# Altium PCB sim800.PcbDoc (continued)
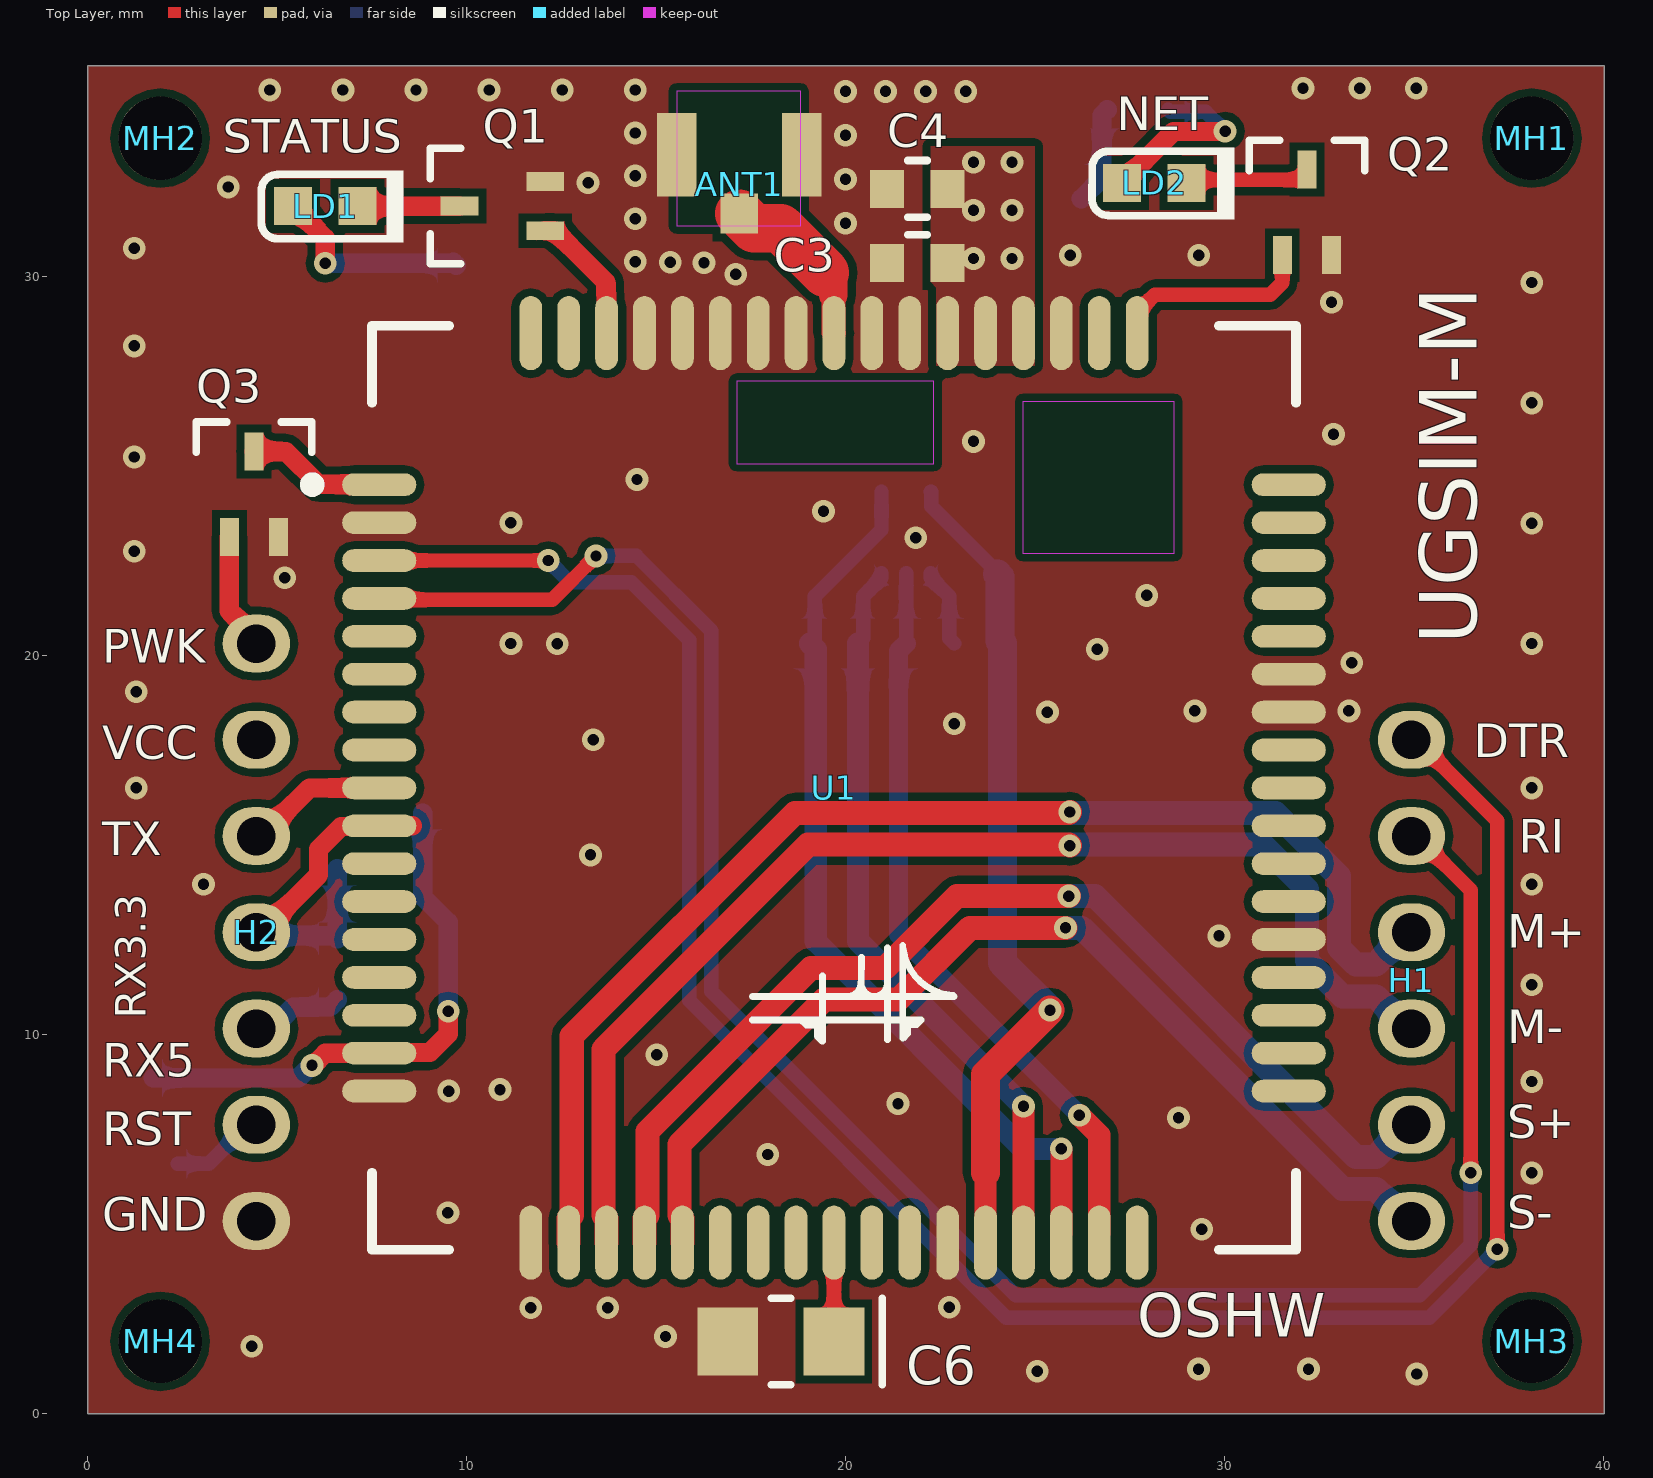
[diagram p0: Top Layer view]
## Part data (continued)
D1: "DIODE ZENER 5.1V 500MW SOD123", Breakdown Voltage=5.36V, Case/Package=SOD-123-2, Forward Voltage=900mV, Manufacturer="ON Semiconductor", Max Operating Temperature=150°C, Max Power Dissipation=500mW, Max Reverse Leakage Current=5uA, Min Operating Temperature=-55°C, Package Quantity=1, Supplier Part Number 1=863-MMSZ5231BT1G, Test Current=20mA, Tolerance=5%, Voltage Rating (DC)=5.1V, Zener Current=10mA, ComponentLink1Description=https://datasheet.ciiva.com/23815/1708301-23815376.pdf?src-supplier=Newark, ComponentLink1URL=https://datasheet.ciiva.com/23815/1708301-23815376.pdf?src-supplier=Newark, ComponentLink2Description=https://datasheet.ciiva.com/894/mmsz5221bt1-d-894881.pdf?src-supplier=Digi-Key, ComponentLink2URL=https://datasheet.ciiva.com/894/mmsz5221bt1-d-894881.pdf?src-supplier=Digi-Key, ComponentLink3Description=https://datasheet.ciiva.com/894/mmsz5221bt1-d-894882.pdf?src-supplier=Digi-Key, ComponentLink3URL=https://datasheet.ciiva.com/894/mmsz5221bt1-d-894882.pdf?src-supplier=Digi-Key, ComponentLink4Description=https://datasheet.ciiva.com/894/mmsz5221bt1-d-894883.pdf?src-supplier=Digi-Key, ComponentLink4URL=https://datasheet.ciiva.com/894/mmsz5221bt1-d-894883.pdf?src-supplier=Digi-Key, ComponentLink5Description=https://datasheet.ciiva.com/16200/mmsz5221bt1-d-16200104.pdf?src-supplier=Future+Electronics, ComponentLink5URL=https://datasheet.ciiva.com/16200/mmsz5221bt1-d-16200104.pdf?src-supplier=Future+Electronics, ComponentLink6Description=https://datasheet.ciiva.com/4731/mmsz5221bt1-d-4731452.pdf?src-supplier=Mouser, ComponentLink6URL=https://datasheet.ciiva.com/4731/mmsz5221bt1-d-4731452.pdf?src-supplier=Mouser, ComponentLink7Description=https://datasheet.ciiva.com/22626/1708301-22626967.pdf?src-supplier=Element14, ComponentLink7URL=https://datasheet.ciiva.com/22626/1708301-22626967.pdf?src-supplier=Element14, ComponentLink8Description=https://datasheet.ciiva.com/25928/mmsz5221bt1-d-25928103.pdf?src-supplier=Avnet+Europe, ComponentLink8URL=https://datasheet.ciiva.com/25928/mmsz5221bt1-d-25928103.pdf?src-supplier=Avnet+Europe, Element Configuration=Single, Height=0.053inch, Impedance=17R, Lead Free="Lead Free", Length=0.111inch, Manufacturer Part Number=MMSZ5231BT1G, Material=Plastic, Number of Pins=2, Packaging="Tape and Reel", Peak Reverse Current=5uA, Power Dissipation=500mW, Power Rating=500mW, Pricing 1="1 = 0.20000, 10 = 0.18900, 50 = 0.18900, 100 = 0.06600, 1000 = 0.04400, 3000 = 0.03300, 9000 = 0.02900, 10000 = 0.02900, 24000 = 0.02600, 45000 = 0.02300, 99000 = 0.02100 (USD)", Radiation Hardening=No, REACH SVHC="No SVHC", RoHS=Yes, Stock 1=48448, Supplier 1=Mouser, Voltage Tolerance=5%, Width=0.071inch, Working Voltage=5.1V, Zener Voltage=5.1V
D2: "TVS DIODE 12V 23V SC88", Breakdown Voltage=13.3V, Case/Package=SC, Clamping Voltage=23V, Leakage Current=100nA, Manufacturer="ON Semiconductor", Max Breakdown Voltage=7.2V, Max Operating Temperature=125°C, Max Reverse Leakage Current=5uA, Max Surge Current=6A, Min Operating Temperature=-40°C, Operating Supply Voltage=12V, Package Quantity=1, Peak Pulse Power=100W, Power Line Protection=No, Supplier Part Number 1=863-SMF12CT1G, Test Current=1mA, ComponentLink1Description=https://datasheet.ciiva.com/4513/smf05c-d-100912-4513248.pdf?src-supplier=Mouser, ComponentLink1URL=https://datasheet.ciiva.com/4513/smf05c-d-100912-4513248.pdf?src-supplier=Mouser, ComponentLink2Description=https://datasheet.ciiva.com/25957/smf05c-d-25957369.pdf?src-supplier=Avnet+Europe, ComponentLink2URL=https://datasheet.ciiva.com/25957/smf05c-d-25957369.pdf?src-supplier=Avnet+Europe, ComponentLink3Description=https://datasheet.ciiva.com/11193/smf05c-d-11193402.pdf?src-supplier=Avnet, ComponentLink3URL=https://datasheet.ciiva.com/11193/smf05c-d-11193402.pdf?src-supplier=Avnet, ComponentLink4Description=https://datasheet.ciiva.com/353/smf05c-d-353902.pdf?src-supplier=Digi-Key, ComponentLink4URL=https://datasheet.ciiva.com/353/smf05c-d-353902.pdf?src-supplier=Digi-Key, ComponentLink5Description=https://datasheet.ciiva.com/353/smf05c-d-353903.pdf?src-supplier=Digi-Key, ComponentLink5URL=https://datasheet.ciiva.com/353/smf05c-d-353903.pdf?src-supplier=Digi-Key, Composition=Zener, Contact Plating=Tin,Matte, Depth=1.25mm, Direction=Unidirectional, Element Configuration="Common Anode", ESD Protection=Yes, Height=1mm, Lead Free="Lead Free", Length=2mm, Manufacturer Part Number=SMF12CT1G, Min Breakdown Voltage=13.3V, Number of Channels=5, Number of Pins=6, Number of Unidirectional Channels=5, Packaging="Tape and Reel", Peak Pulse Current=6A, Polarity=Unidirectional, Power Dissipation=100W, Pricing 1="1 = 0.46000, 10 = 0.32200, 50 = 0.32200, 100 = 0.14800, 1000 = 0.11400, 3000 = 0.09700, 9000 = 0.08900, 10000 = 0.08900, 24000 = 0.08300, 45000 = 0.07400, 99000 = 0.07100 (USD)", Radiation Hardening=No, Reverse Standoff Voltage=12V, RoHS=Yes, Stock 1=7670, Supplier 1=Mouser, Termination=SMD/SMT, Voltage Rating (DC)=12V, Width=1.35mm, Working Voltage=12V
J1: library part "Micro Sim Connector", ComponentLink1Description="on aliexpress", ComponentLink1URL=https://www.aliexpress.com/item/32960690078.html?spm=a2g0o.productlist.0.0.735f2bb6q422g4&algo_pvid=1909d03e-9bfc-4d5c-b848-f6211606a0a0&algo_expid=1909d03e-9bfc-4d5c-b848-f6211606a0a0-4&btsid=6ccb498c-0190-470a-a4c7-741ec023e9fd&ws_ab_test=searchweb0_0,searchweb201602_,searchweb201603_53
LD1: library part "LED Green", "LED GREEN DIFFUSED 0603 SMD", Case/Package=0603, Case Code (Metric)=1608, Forward Current=20mA, Forward Voltage=2.2V, Lens Color=White, Manufacturer=Rohm, Manufacturer Part Number=SML-D12M8WT86, Max Operating Temperature=85°C, Min Operating Temperature=-40°C, Package Quantity=1, Supplier Part Number 1=511-1578-1-ND, Case Code (Imperial)=0603, Color=Green, ComponentLink1Description=https://datasheet.ciiva.com/11774/0900766b80df3ada-11774260.pdf?src-supplier=RSComponents, ComponentLink1URL=https://datasheet.ciiva.com/11774/0900766b80df3ada-11774260.pdf?src-supplier=RSComponents, ComponentLink2Description=https://datasheet.ciiva.com/3161/sml-d1-3161419.pdf?src-supplier=Avnet, ComponentLink2URL=https://datasheet.ciiva.com/3161/sml-d1-3161419.pdf?src-supplier=Avnet, ComponentLink3Description=https://datasheet.ciiva.com/2110/sml-d1-2110396.pdf?src-supplier=Digi-Key, ComponentLink3URL=https://datasheet.ciiva.com/2110/sml-d1-2110396.pdf?src-supplier=Digi-Key, ComponentLink4Description=https://datasheet.ciiva.com/2110/sml-d1-2110397.pdf?src-supplier=Digi-Key, ComponentLink4URL=https://datasheet.ciiva.com/2110/sml-d1-2110397.pdf?src-supplier=Digi-Key, ComponentLink5Description=https://datasheet.ciiva.com/2110/sml-d1-2110398.pdf?src-supplier=Digi-Key, ComponentLink5URL=https://datasheet.ciiva.com/2110/sml-d1-2110398.pdf?src-supplier=Digi-Key, Dominant Wavelength=572nm, Height=0.65mm, Illumination Color=Green, Lead Free="Lead Free", Length=1.6mm, Lens Style=Diffused, Lens Transparency=Diffused, Luminous Intensity=25mcd, Mount="Surface Mount", Number of LEDs=1, Number of Pins=2, Packaging="Tape and Reel", Pricing 1="1 = 0.34000, 10 = 0.25100, 25 = 0.18480, 100 = 0.13200, 250 = 0.08976, 500 = 0.07920, 1000 = 0.06204 (USD)", Radiation Hardening=No, REACH SVHC=Unknown, RoHS=Yes, Stock 1=140294, Supplier 1=Digi-Key, Test Current=20mA, Viewing Angle=160°, Wavelength=572nm, Width=0.8mm
LD2: library part "LED Yellow", "LED YELLOW DIFFUSED 0603 SMD", Case/Package=0603, Case Code (Metric)=1608, Forward Current=20mA, Forward Voltage=2.2V, Lens Color=White, Manufacturer=Rohm, Manufacturer Part Number=SML-D12Y8WT86, Max Operating Temperature=85°C, Min Operating Temperature=-40°C, Package Quantity=1, Supplier Part Number 1=755-SML-D12Y8WT86, Case Code (Imperial)=0603, Color=Yellow, ComponentLink1Description=https://datasheet.ciiva.com/11774/0900766b80df3ada-11774475.pdf?src-supplier=RSComponents, ComponentLink1URL=https://datasheet.ciiva.com/11774/0900766b80df3ada-11774475.pdf?src-supplier=RSComponents, ComponentLink2Description=https://datasheet.ciiva.com/17419/sml-d1-17419897.pdf?src-supplier=Avnet+Europe, ComponentLink2URL=https://datasheet.ciiva.com/17419/sml-d1-17419897.pdf?src-supplier=Avnet+Europe, ComponentLink3Description=https://datasheet.ciiva.com/2115/sml-d1-2115067.pdf?src-supplier=Digi-Key, ComponentLink3URL=https://datasheet.ciiva.com/2115/sml-d1-2115067.pdf?src-supplier=Digi-Key, ComponentLink4Description=https://datasheet.ciiva.com/2115/sml-d1-2115068.pdf?src-supplier=Digi-Key, ComponentLink4URL=https://datasheet.ciiva.com/2115/sml-d1-2115068.pdf?src-supplier=Digi-Key, ComponentLink5Description=https://datasheet.ciiva.com/2115/sml-d1-2115069.pdf?src-supplier=Digi-Key, ComponentLink5URL=https://datasheet.ciiva.com/2115/sml-d1-2115069.pdf?src-supplier=Digi-Key, ComponentLink6Description=https://datasheet.ciiva.com/3161/sml-d1-3161421.pdf?src-supplier=Avnet, ComponentLink6URL=https://datasheet.ciiva.com/3161/sml-d1-3161421.pdf?src-supplier=Avnet, ComponentLink7Description=https://datasheet.ciiva.com/16289/sml-d1-16289838.pdf?src-supplier=Future+Electronics, ComponentLink7URL=https://datasheet.ciiva.com/16289/sml-d1-16289838.pdf?src-supplier=Future+Electronics, Dominant Wavelength=590nm, Height=0.65mm, Illumination Color=Yellow, Lead Free="Lead Free", Length=1.6mm, Lens Style=Rectangular, Lens Transparency=Diffused, Luminous Intensity=63mcd, Mount="Surface Mount", Number of LEDs=1, Number of Pins=2, Packaging="Tape and Reel", Pricing 1="1 = 0.34000, 10 = 0.25100, 25 = 0.18480, 100 = 0.13200, 250 = 0.08976, 500 = 0.07920, 1000 = 0.06204 (USD)", Radiation Hardening=No, RoHS=Yes, Stock 1=214, Supplier 1=Mouser, Test Current=20mA, Viewing Angle=160°, Wavelength=590nm, Width=0.8mm
MH1 MH2 MH3 MH4: library part M2Hole
Q1 Q2 Q3 Q4: library part "NPN Transistor Prebaised", Manufacturer=Rohm, Supplier Part Number 1=755-DTC143ZU3HZGT106, Manufacturer Part Number=DTC143ZU3HZGT106, Pricing 1="1 = 0.32000, 10 = 0.21600, 50 = 0.21600, 100 = 0.09000, 1000 = 0.06200, 3000 = 0.04800, 10000 = 0.04800 (USD)", RoHS=No, Stock 1=4628, Supplier 1=Mouser
R1: library part "Res 10Kohms"
R2 R3: library part "RES 75 Ohm 0603", Case/Package=0603, Case Code (Metric)=1608, Manufacturer=Rohm, Manufacturer Part Number=ESR03EZPJ131, Max Operating Temperature=155°C, Max Power Dissipation=250mW, Min Operating Temperature=-55°C, Package Quantity=1, Resistance=130R, Supplier Part Number 1=755-ESR03EZPJ131, Temperature Coefficient=200ppm/°C, Tolerance=5%, Case Code (Imperial)=0603, ComponentLink1Description=https://datasheet.ciiva.com/2515/esr-2515857.pdf?src-supplier=Digi-Key, ComponentLink1URL=https://datasheet.ciiva.com/2515/esr-2515857.pdf?src-supplier=Digi-Key, ComponentLink2Description=https://datasheet.ciiva.com/2515/esr-2515858.pdf?src-supplier=Digi-Key, ComponentLink2URL=https://datasheet.ciiva.com/2515/esr-2515858.pdf?src-supplier=Digi-Key, ComponentLink3Description=https://datasheet.ciiva.com/2515/esr-2515859.pdf?src-supplier=Digi-Key, ComponentLink3URL=https://datasheet.ciiva.com/2515/esr-2515859.pdf?src-supplier=Digi-Key, Composition="Thick Film", Features="Automotive AEC-Q200", Height=0.022inch, Length=0.063inch, Number of Terminations=2, Packaging="Tape and Reel", Pricing 1="1 = 0.10000, 10 = 0.07100, 50 = 0.07100, 100 = 0.02500, 1000 = 0.01700, 10000 = 0.01100 (USD)", RoHS=Yes, Stock 1=12117, Supplier 1=Mouser, Width=0.031inch
R4: library part "RES 10kOhms 0603", "RES SMD 10K OHM 1% 1/4W 0603", Case/Package=0603, Case Code (Metric)=1608, Manufacturer=Rohm, Manufacturer Part Number=ESR03EZPF1002, Max Operating Temperature=155°C, Max Power Dissipation=250mW, Min Operating Temperature=-55°C, Package Quantity=1, Resistance=10kR, Supplier Part Number 1=755-ESR03EZPF1002, Temperature Coefficient=100ppm/°C, Tolerance=1%, Case Code (Imperial)=0603, ComponentLink1Description=https://datasheet.ciiva.com/2469/esr-2469709.pdf?src-supplier=Digi-Key, ComponentLink1URL=https://datasheet.ciiva.com/2469/esr-2469709.pdf?src-supplier=Digi-Key, ComponentLink2Description=https://datasheet.ciiva.com/2469/esr-2469710.pdf?src-supplier=Digi-Key, ComponentLink2URL=https://datasheet.ciiva.com/2469/esr-2469710.pdf?src-supplier=Digi-Key, ComponentLink3Description=https://datasheet.ciiva.com/2469/esr-2469711.pdf?src-supplier=Digi-Key, ComponentLink3URL=https://datasheet.ciiva.com/2469/esr-2469711.pdf?src-supplier=Digi-Key, Composition="Thick Film", Features="Automotive AEC-Q200", Height=0.022inch, Lead Free="Lead Free", Length=0.063inch, Number of Terminations=2, Packaging="Tape and Reel", Power Rating=250mW, Pricing 1="1 = 0.13000, 10 = 0.12000, 100 = 0.04620, 1000 = 0.02033, 2500 = 0.01756 (USD)", RoHS=Yes, Stock 1=222376, Supplier 1=Mouser, Width=0.031inch
R5: library part "RES 20kOhms 0603", "RES SMD 10K OHM 1% 1/4W 0603", Case/Package=0603, Case Code (Metric)=1608, Manufacturer=Rohm, Manufacturer Part Number=ESR03EZPF1002, Max Operating Temperature=155°C, Max Power Dissipation=250mW, Min Operating Temperature=-55°C, Package Quantity=1, Resistance=10kR, Supplier Part Number 1=755-ESR03EZPF1002, Temperature Coefficient=100ppm/°C, Tolerance=1%, Case Code (Imperial)=0603, ComponentLink1Description=https://datasheet.ciiva.com/2469/esr-2469709.pdf?src-supplier=Digi-Key, ComponentLink1URL=https://datasheet.ciiva.com/2469/esr-2469709.pdf?src-supplier=Digi-Key, ComponentLink2Description=https://datasheet.ciiva.com/2469/esr-2469710.pdf?src-supplier=Digi-Key, ComponentLink2URL=https://datasheet.ciiva.com/2469/esr-2469710.pdf?src-supplier=Digi-Key, ComponentLink3Description=https://datasheet.ciiva.com/2469/esr-2469711.pdf?src-supplier=Digi-Key, ComponentLink3URL=https://datasheet.ciiva.com/2469/esr-2469711.pdf?src-supplier=Digi-Key, Composition="Thick Film", Features="Automotive AEC-Q200", Height=0.022inch, Lead Free="Lead Free", Length=0.063inch, Number of Terminations=2, Packaging="Tape and Reel", Power Rating=250mW, Pricing 1="1 = 0.13000, 10 = 0.12000, 100 = 0.04620, 1000 = 0.02033, 2500 = 0.01756 (USD)", RoHS=Yes, Stock 1=222376, Supplier 1=Mouser, Width=0.031inch
U1: "complete Quad-band GSM/GPRS solution in a SMT type which can be embedded in the customer applications.", ComponentLink1Description="Component Link", ComponentLink1URL=https://simcom.ee/modules/gsm-gprs/sim800/

## Via types
v1: diameter 0.6, hole 0.3, Top Layer to Bottom Layer, tented both sides, 102 vias

## Nets (pads, with @x,y where several pads share a name; then routed paths per layer and width w, separated by ;. In a path a pad name is that pad's centre, name@x,y a point inside that pad or via, vN(x,y) a via of type N, cw(c..) or ccw(c..) an arc to the next point about the centre after c; other vN are vias at no path point)
\R\S\T\: H2.6 Q4.2 | length 2.5
  Bottom Layer w0.381: Q4.2 3.187,6.595 4.212,7.62 H2.6
DTR: H1.1 U1.3 | length 58.3
  Top Layer w0.381: U1.3@7.958,22.529 7.939,22.51 v1(12.144,22.51) ; H1.1 35.052,17.78 37.19,15.642 v1(37.19,4.333)
  Bottom Layer w0.381: v1(12.144,22.51) 12.717,21.937 14.342,21.937 15.867,20.412 15.867,10.901 24.236,2.532 35.389,2.532 v1(37.19,4.333)
GND: ANT1.2 ANT1.3 C1.2 C2.2 C3.1 C4.1 C5.2 C6.2 D1.2 D2.2 H2.7 J1.4 J1.7 J1.8 J1.9 J1.10 Q1.1 Q2.1 Q3.1 Q4.1 R5.1 U1.2 U1.17 U1.18 U1.29 U1.39 U1.45 U1.46 U1.54 U1.58 U1.59 U1.61 U1.62 U1.63 U1.64 U1.65
  other v1: 35.063,1.043 25.046,1.117 29.304,1.173 32.208,1.173 4.318,1.778 15.24,2.032 11.684,2.794 13.716,2.794 22.726,2.805 29.388,4.867 9.497,5.298 38.1,6.35 17.938,6.835 28.776,7.804 21.375,8.179 9.517,8.51 10.873,8.549 38.1,8.762 15.009,9.472 38.1,11.314 29.845,12.605 3.048,13.97 38.1,13.97 13.262,14.742 1.27,16.51 38.1,16.51 13.335,17.78 22.86,18.205 25.317,18.51 29.21,18.542 33.274,18.542 1.27,19.05 33.35,19.812 26.636,20.166 11.16,20.32 12.385,20.314 38.1,20.32 27.94,21.59 5.192,22.054 1.218,22.757 21.844,23.114 38.1,23.495 11.16,23.51 19.408,23.81 14.489,24.647 1.218,25.243 23.368,25.654 32.867,25.84 38.1,26.67 1.218,28.174 32.815,29.323 38.1,29.845 17.094,30.067 15.363,30.384 16.256,30.366 14.443,30.398 25.92,30.567 29.309,30.566 1.218,30.749 19.989,31.41 14.443,31.53 3.699,32.366 13.197,32.477 19.989,32.57 14.443,32.662 19.989,33.73 14.443,33.793 19.989,34.89 21.046,34.89 22.102,34.89 23.159,34.89 4.798,34.925 6.727,34.925 8.656,34.925 10.585,34.925 12.514,34.925 14.443,34.925 32.063,34.976 33.558,34.976 35.052,34.976
GSM_ANT: ANT1.1 U1.60 | length 4.6
  Top Layer w0.635: 19.668,29.513 19.668,28.528 U1.60
  Top Layer w0.762: 19.453,30.103 19.668,29.889 19.668,29.513
  Top Layer w1.27: ANT1.1 17.573,31.278 18.279,31.278 19.453,30.103
GSM_RX: H2.4 R4.1 R5.2 U1.10 | length 9.7
  Top Layer w0.508: H2.4 4.566,12.7 6.08,14.214 6.08,14.889 6.683,15.492 7.921,15.492 7.939,15.51 U1.10@8.564,15.51
  Bottom Layer w0.508: H2.4 4.534,12.611 6.491,12.611 R4.1 R5.2
GSM_TX: H2.3 U1.9 | length 4
  Top Layer w0.508: H2.3 4.572,15.24 5.842,16.51 U1.9@7.939,16.51
MIC_N: H1.4 U1.20 | length 31.8
  Top Layer w0.635: U1.20 13.685,5.153 13.604,5.234 13.604,6.009 13.604,9.612 19.003,15.011 25.883,15.011 v1(25.908,14.986)
  Bottom Layer w0.635: v1(25.908,14.986) 25.933,15.011 30.988,15.011 32.168,13.831 32.168,11.951 33.108,11.011 33.982,11.011 34.832,10.16 H1.4
MIC_P: H1.3 U1.19 | length 33.2
  Top Layer w0.635: U1.19 12.685,5.153 12.766,5.234 12.766,6.356 12.766,9.959 18.656,15.85 25.883,15.85 v1(25.908,15.875)
  Bottom Layer w0.635: v1(25.908,15.875) 25.933,15.85 31.335,15.85 33.006,14.178 33.006,12.298 33.455,11.849 33.982,11.849 34.832,12.7 H1.3
NetC6_1: C6.1 U1.26 | length 2.9
  Top Layer w0.381: C6.1 U1.26@19.685,4.764
NetLD1_1: LD1.1 R2.2 | length 5.4
  Top Layer w0.508: LD1.1 6.262,31.012 v1(6.262,30.355)
  Bottom Layer w0.508: v1(6.262,30.355) 9.606,30.355 9.635,30.384 R2.2
NetLD1_2: LD1.2 Q1.3 | length 2.7
  Top Layer w0.508: LD1.2 Q1.3
NetLD2_1: LD2.1 R3.2 | length 5
  Top Layer w0.508: LD2.1 28.644,33.835 v1(30.007,33.835)
  Bottom Layer w0.381: R3.2 28.553,34.35 29.491,34.35 v1(30.007,33.835)
NetLD2_2: LD2.2 Q2.3 | length 3.6
  Top Layer w0.381: LD2.2 29.066,32.556 32.106,32.556 32.165,32.616 Q2.3@32.165,33.016
NETLIGHT: Q2.2 U1.52 | length 5.6
  Top Layer w0.381: U1.52@27.685,28.256 27.685,29.055 28.155,29.526 31.201,29.526 31.515,29.84 Q2.2@31.515,30.504
NetQ4_3: Q4.3 R1.1 U1.16 | length 14.4
  Top Layer w0.508: v1(5.912,9.186) 5.937,9.186 6.261,9.51 U1.16 7.939,9.51 7.957,9.528 9.02,9.528 9.507,10.015 v1(9.507,10.615)
  Bottom Layer w0.508: Q4.3 5.555,8.854 5.887,9.186 v1(5.912,9.186) ; R1.1 8.832,13.639 9.507,12.964 v1(9.507,10.615)
PWRKEY: Q3.3 U1.1 | length 3.9
  Top Layer w0.508: Q3.3 5.219,25.39 6.088,24.521 7.928,24.521 U1.1@7.939,24.51
PWRKEY_MIC: H2.1 Q3.2 | length 3.1
  Top Layer w0.508: Q3.2 3.73,21.182 4.445,20.468 H2.1
RI: H1.2 U1.4 | length 54.8
  Top Layer w0.381: U1.4@7.939,21.51 7.975,21.474 12.249,21.474 v1(13.406,22.631) ; H1.2 35.052,15.24 36.487,13.805 v1(36.487,6.355)
  Bottom Layer w0.381: v1(13.406,22.631) 14.475,22.631 16.451,20.654 16.451,11.143 24.478,3.116 35.147,3.116 36.487,4.456 v1(36.487,6.355)
RX: H2.5 R4.2 | length 2.5
  Bottom Layer w0.508: H2.5 4.847,10.16 5.413,10.726 6.384,10.726 R4.2
SIM_CLK: D2.1 J1.3 U1.32 | length 23.7
  Top Layer w0.584: U1.32@25.685,4.764 v1(25.685,6.985)
  Bottom Layer w0.381: J1.3 19.183,20.453 19.183,21.566 20.94,23.323 D2.1
  Bottom Layer w0.584: J1.3 19.204,20.166 19.204,12.463 24.682,6.985 v1(25.685,6.985)
SIM_DATA: D2.6 J1.6 U1.31 | length 19.5
  Top Layer w0.584: U1.31@24.685,4.764 v1(24.685,8.107)
  Bottom Layer w0.381: J1.6 20.454,20.454 20.454,21.566 20.94,22.053 D2.6
  Bottom Layer w0.584: J1.6 20.32,12.472 v1(24.685,8.107)
SIM_RST: D2.5 J1.2 U1.33 | length 19.7
  Top Layer w0.584: v1(26.162,7.874) 26.685,7.351 U1.33@26.685,4.764
  Bottom Layer w0.381: J1.2 D2.5
  Bottom Layer w0.508: J1.2 21.39,20.12 21.39,12.646 v1(26.162,7.874)
SIM_VDD: C5.1 D2.3 J1.1 U1.30 | length 21.6
  Top Layer w0.584: 23.682,6.353 23.682,4.767 U1.30@23.685,4.764
  Top Layer w0.762: 23.682,6.353 23.682,8.944 v1(25.385,10.647)
  Bottom Layer w0.381: D2.3 22.25,24.32 22.25,23.947 23.996,22.2 C5.1
  Bottom Layer w0.762: C5.1 24.063,22.083 24.063,20.387 J1.1 24.13,11.902 v1(25.385,10.647)
SIMVPP: D2.4 J1.5 | length 2.1
  Bottom Layer w0.381: D2.4 22.24,22.053 22.726,21.566 22.726,20.454 J1.5
SPK_N: H1.6 U1.22 | length 27.5
  Top Layer w0.635: U1.22 15.685,5.153 15.604,5.234 15.604,6.009 15.604,7.098 19.428,10.922 21.385,10.922 23.28,12.818 v1(25.796,12.818)
  Bottom Layer w0.635: v1(25.796,12.818) 26.222,12.818 33.108,5.931 33.982,5.931 34.832,5.08 H1.6
SPK_P: H1.5 U1.21 | length 28.9
  Top Layer w0.635: U1.21 14.685,5.153 14.766,5.234 14.766,6.356 14.766,7.445 19.081,11.76 21.037,11.76 22.933,13.656 v1(25.884,13.656)
  Bottom Layer w0.635: v1(25.884,13.656) 26.569,13.656 33.455,6.769 33.982,6.769 34.832,7.62 H1.5
STATUS: Q1.2 U1.66 | length 3.5
  Top Layer w0.508: Q1.2 12.307,31.212 13.667,29.852 13.667,28.528 U1.66
VCC_4V: C1.1 C2.1 C3.2 C4.2 D1.1 H2.2 R1.2 R2.1 R3.1 U1.55 U1.56 U1.57 | length 2.6
  Bottom Layer w0.508: C2.1 26.756,32.604 26.756,34.262 R3.1
  other v1: 23.368,30.48 24.384,30.48 23.368,31.75 24.384,31.75 23.368,33.02 24.384,33.02
pads on no net: MH1.0 MH2.0 MH3.0 MH4.0 U1.5 U1.6 U1.7 U1.8 U1.11 U1.12 U1.13 U1.14 U1.15 U1.23 U1.24 U1.25 U1.27 U1.28 U1.34 U1.35 U1.36 U1.37 U1.38 U1.40 U1.41 U1.42 U1.43 U1.44 U1.47 U1.48 U1.49 U1.50 U1.51 U1.53 U1.67 U1.68

## Polygon pours and split planes (outlines as drawn)
VCC_4V on Bottom Layer "VCC_4V_L02_P004" (solid, pour order 4): 23.377,27.258 29.863,27.258 29.863,29.993 25.4,29.993 25.4,31.115 26.968,31.115 27.011,31.158 27.011,32.958 25.4,32.958 25.4,33.581 23.844,33.581 22.003,33.581 22.003,30.409 20.348,28.753 5.715,28.753 5.715,18.542 4.445,18.542 4.445,17.018 4.572,17.018 9.525,17.018 9.525,22.99 12.058,25.523 21.642,25.523
GND on Bottom Layer "GND_L02_P006" (solid, pour order 6): 40.005,35.56 0,35.56 0,0 40.005,0
VCC_4V on Top Layer "VCC_4V_L01_P000" (solid, pour order 0): 22.385,29.712 22.235,29.862 22.235,33.441 24.985,33.441 24.985,27.656 22.385,27.656
GND on Top Layer "GND_L01_P002" (solid, pour order 2): 0,35.56 40.005,35.56 40.005,0 0,0

## Keep-outs
Top Layer:
  rectangle: 17.121,25.069 22.321,27.24
  rectangle: 24.671,22.7 28.671,26.7
  region: 15.534,34.9 15.534,31.344 18.806,31.344 18.806,34.9

## Silkscreen, mask and mechanical layers (free items; w line width, h text height)
Top Overlay:
  lines w0.178: 19.383,11.556 19.383,9.822 19.242,9.964 19.242,10.246 18.96,10.246 18.819,10.387 17.528,10.387 21.989,10.387 21.867,10.266 21.625,10.266 ; 19.616,11.003 17.537,11.003 22.85,11.003 ; 20.034,11.003 ccw(c20.03,11.373) 20.399,11.384 ; 20.401,11.362 20.414,12.038 ; 20.402,11.366 ccw(c20.771,11.37) 20.783,11 ; 20.731,11 ccw(c20.727,11.37) 21.096,11.381 ; 21.1,9.864 21.1,12.294 21.1,11.357 ; 21.503,12.349 21.503,9.901 21.624,10.023 21.624,10.265 ; 21.506,12.267 ccw(c22.928,12.463) 22.835,11.031 ; 21.624,10.265 21.625,10.266
  text "NET" at 27.153,33.858 h0.89
  text "STATUS" at 3.556,33.274 h0.89
  text "UGSIM-M" at 36.646,20.304 h1.52 r90
  text "PWK" at 0.381,19.812 h0.89
  text "DTR" at 36.568,17.32 h0.89
  text "VCC" at 0.381,17.272 h0.89
  text "RI" at 37.753,14.805 h0.89
  text "TX" at 0.381,14.732 h0.89
  text "M+" at 37.457,12.291 h0.89
  text "RX3.3" at 1.524,10.414 h0.81 r90
  text "M-" at 37.457,9.776 h0.89
  text "RX5" at 0.381,8.89 h0.89
  text "S+" at 37.457,7.261 h0.89
  text "RST" at 0.381,7.087 h0.89
  text "S-" at 37.457,4.872 h0.89
  text "GND" at 0.381,4.826 h0.89
  text "OSHW" at 27.686,2.032 h1.14
Bottom Overlay:
  region: 29.972,8.636 29.972,5.588 31.496,5.588 32.004,6.096 32.004,8.636
  lines w0.127: 16.079,33.82 cw(c17.272,33.524) 18.454,33.862 ; 16.304,33.781 cw(c17.271,33.527) 18.233,33.801 ; 16.59,33.728 cw(c17.272,33.519) 17.959,33.714
  lines w0.178: 29.972,5.588 29.972,8.636 32.004,8.636 32.004,6.096 31.496,5.588 29.972,5.588
  text "ANT" at 18.397,32.405 h0.89
  text "uge-one.com" at 21.901,26.881 h1.02
  text "UGE" at 1.625,22.122 h6.98 r270
  text "REV: 1.1" at 13.489,1.155 h0.89
Board Outline:
  lines w0.254: 3.175,35.56 40.005,35.56 40.005,0 0,0 0,35.56 4.445,35.56
Mechanical 8:
  lines w0.178: 3.175,3.81 3.175,21.641 5.715,21.641 5.715,19.05 5.715,3.81 3.175,3.81 ; 8.273,32.076 11.353,32.076 11.353,33.555 8.273,33.555 8.273,32.076 ; 26.67,31.75 29.845,31.75 29.845,33.218 26.67,33.218 26.67,31.75 ; 33.655,3.81 33.655,19.05 36.195,19.05 36.195,3.81 33.655,3.81
  text "Power Key" at -2.235,19.99 h1.27
  text "VCC" at 0.635,17.448 h1.27
  text "MICP" at 36.195,17.373 h1.27
  text "MICP" at 36.195,14.761 h1.27
  text "TX" at 1.575,14.656 h1.27
  text "MICP" at 36.271,12.421 h1.27
  text "RX3.3" at 0.102,12.192 h1.27
  text "MICN" at 36.271,9.931 h1.27
  text "RX" at 1.397,9.804 h1.27
  text "~RST" at 0.356,7.315 h1.27
  text "SPKP" at 36.195,7.245 h1.27
  text "GND" at 0.635,4.826 h1.27
  text "SPKN" at 36.271,4.75 h1.27
Mechanical Outlines:
  circle w0.127: c38.098,33.631 r1.114
  circle w0.127: c38.105,1.919 r1.101
  circle w0.127: c1.929,1.869 r1.117
  circle w0.127: c1.911,33.642 r1.1
  circle w0.127: c34.929,17.716 r0.508
  circle w0.127: c34.945,15.227 r0.488
  circle w0.127: c4.459,15.238 r0.488
  lines w0.178: 3.132,3.816 3.132,21.573 5.72,21.573 5.72,3.816 5.112,3.816 3.132,3.816 ; 33.658,3.801 36.246,3.801 36.246,19.05 33.658,19.05 33.658,3.801
  lines w0.254: -0.002,0.001 -0.002,35.567 40.009,35.567 40.009,0.001 -0.002,0.001
  text "Corner Holes Diameter" at 18.64,35.947 h1.52
  text "M2 X4 Holes" at 1.415,30.654 h1.52
  text "Pin Headers Hole Diameter" at 17.742,22.104 h1.52

## Dimensions
-0.002,35.567 to 40.009,35.567 on Mechanical Outlines
40.009,35.567 to 40.009,0.001 on Mechanical Outlines
34.925,17.78 to 34.925,15.24 on Mechanical Outlines
34.929,17.716 to 31.172,20.563 on Mechanical Outlines
1.911,33.642 to 5.172,36.903 on Mechanical Outlines
40.005,35.56 to 41.91,0 on Mechanical 13
0,35.56 to 40.005,35.56 on Mechanical 13